# KiCad board SparkFun_BlueSMiRF-ESP32_panelized.kicad_pcb (continued)
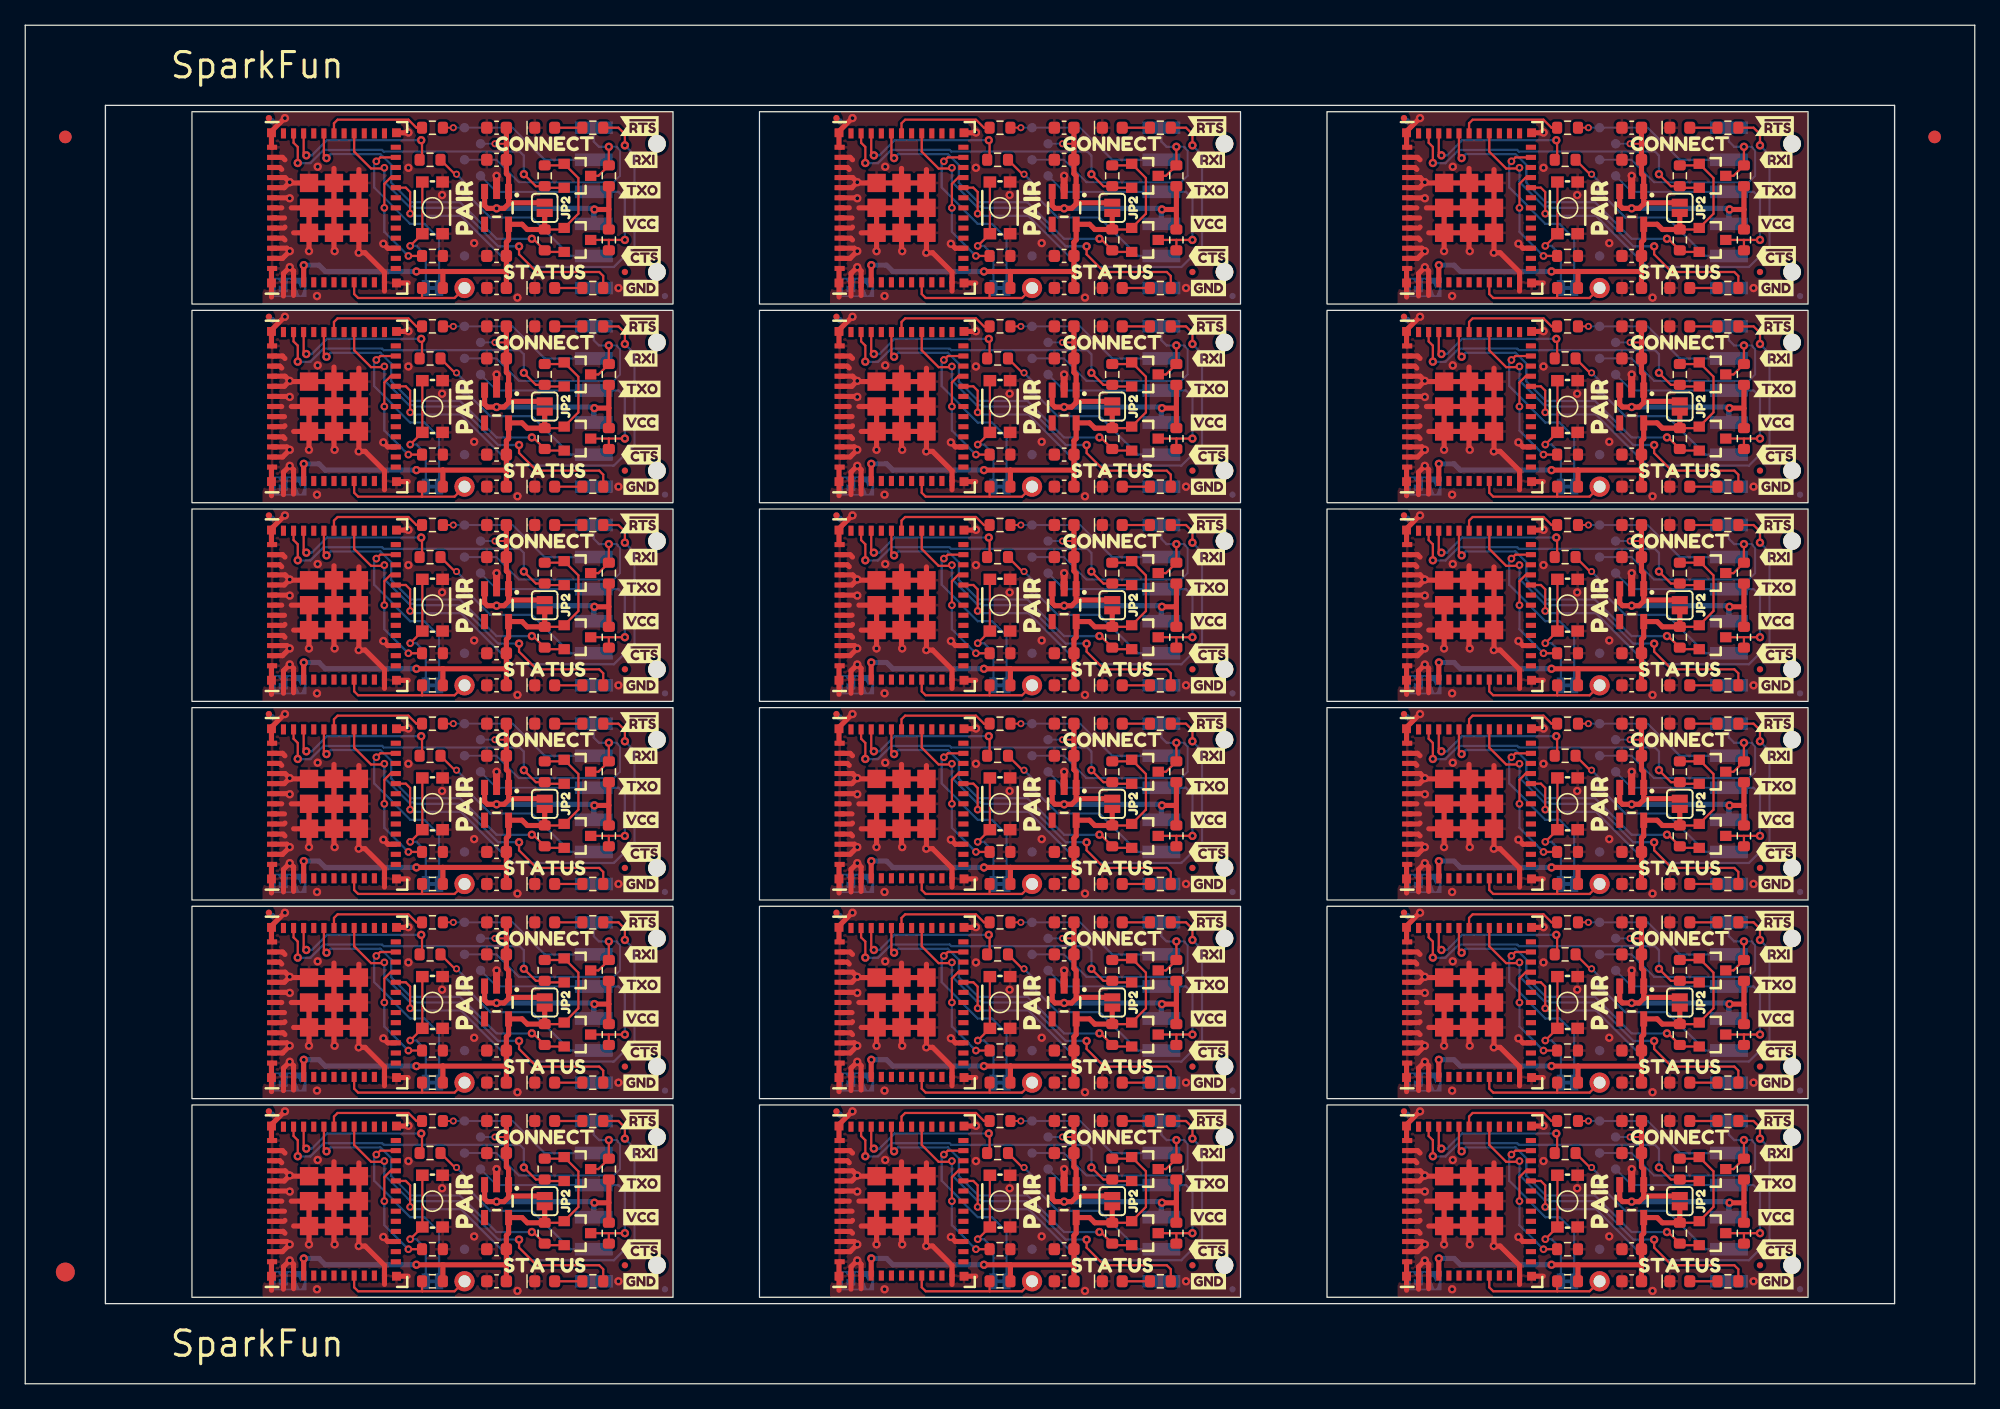
[diagram p0: board, top side]
## Copper pours and planes (outline as drawn; the poured copper is in the pictures) (continued)
GND on Top, Bottom: 108.69,54.07 108.69,69.31 141.2,69.31 141.2,54.07
GND on Top, Bottom: 108.69,6.85 108.69,22.09 141.2,22.09 141.2,6.85
GND on Top, Bottom: 108.69,69.81 108.69,85.05 141.2,85.05 141.2,69.81

## Text on the board
Bottom: v11
User.Comments: N. Seidle | V-SCORE | ROUTE OUT
F.Fab: Solder Mask: Red | Layers: 2 | Finish: Lead Free HASL | Thickness: 1.6mm | Material: TG155 | Copper Weight: 1oz
F.Silkscreen: SparkFun
